# KiCad board everestCM4.kicad_pcb (continued)
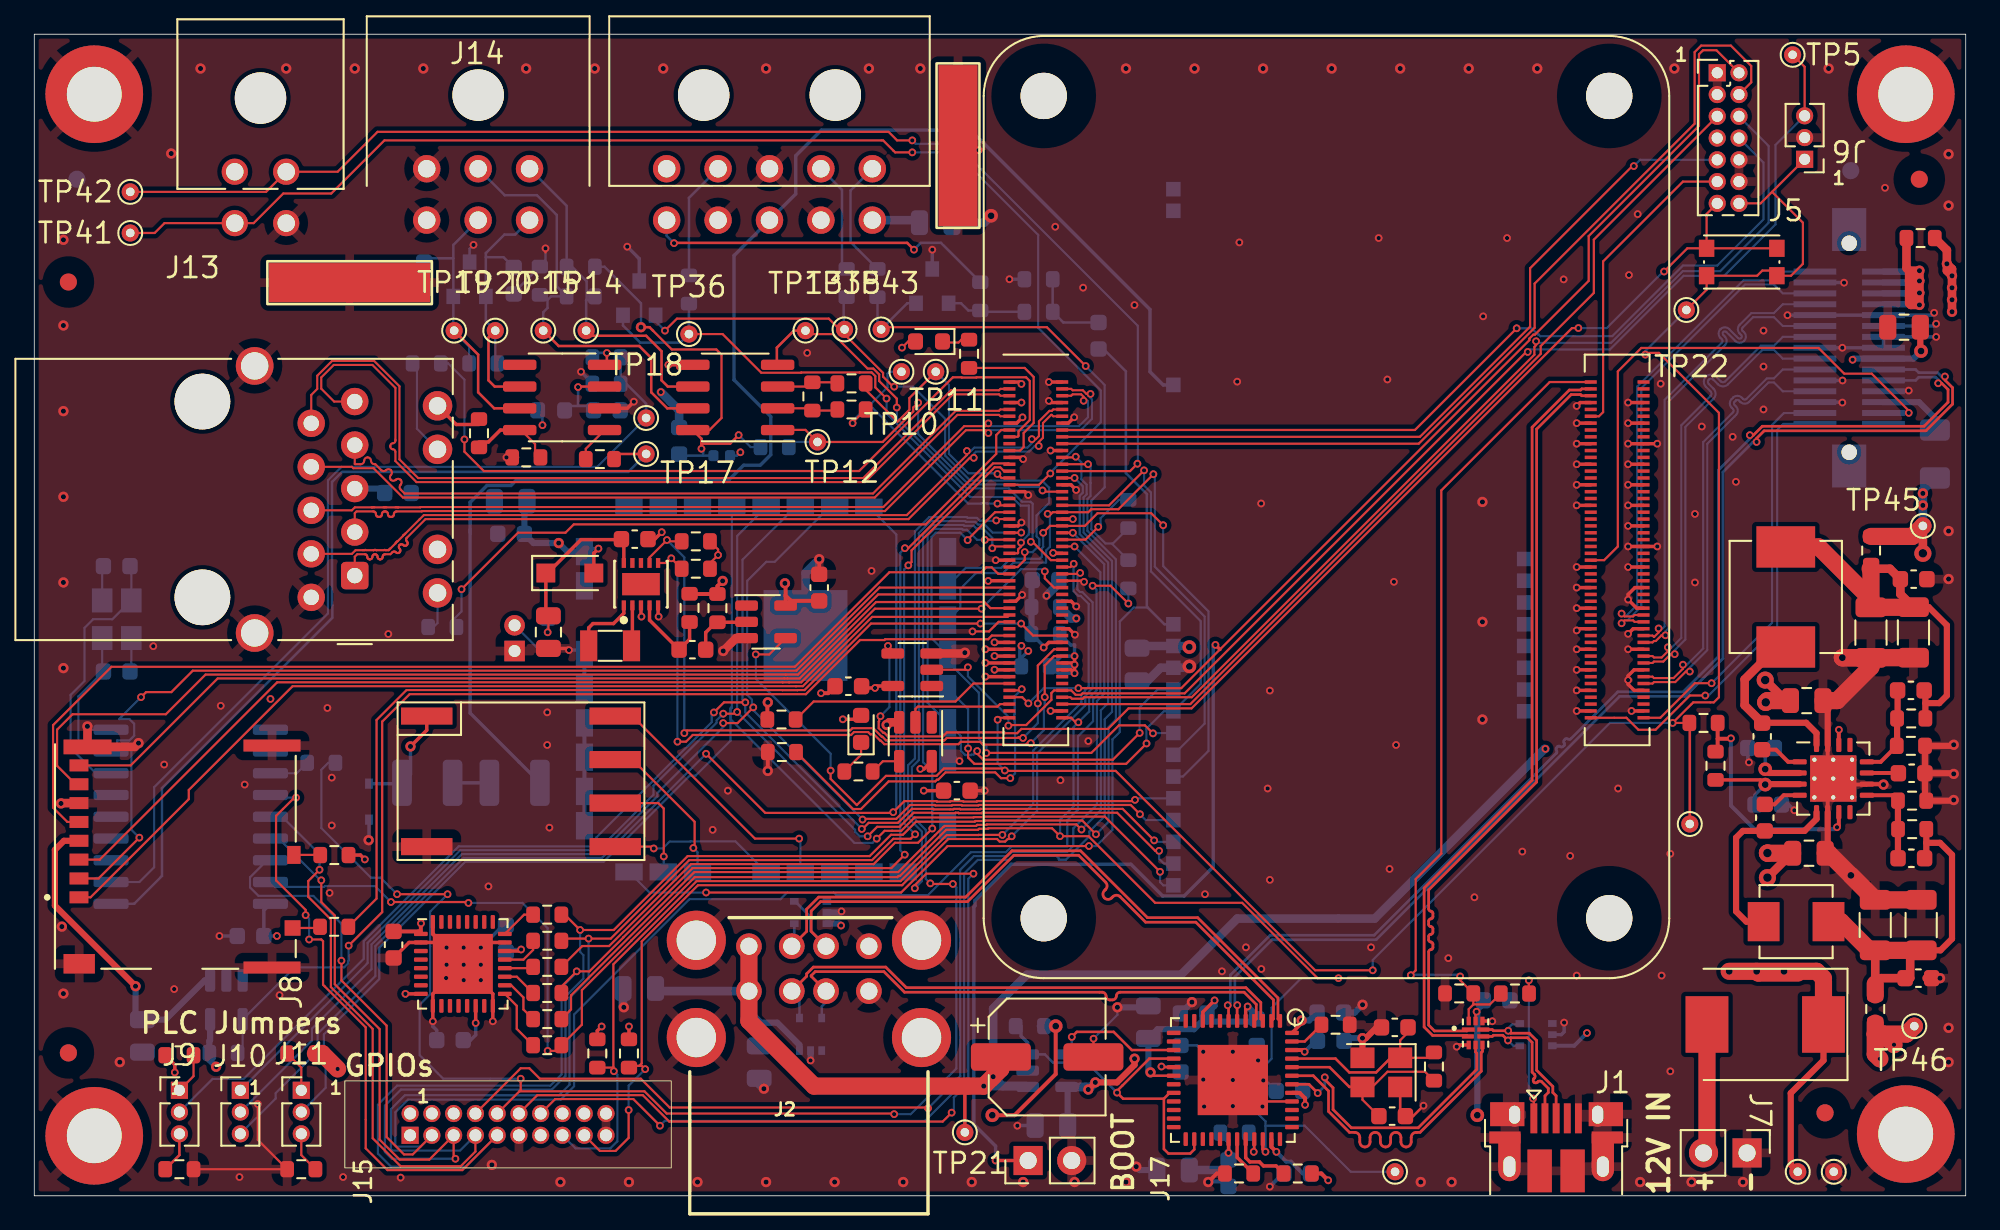
[diagram p0: board, top side]
## Routing (per net, layer and track width the routed paths; a pad name or vN(x,y) marks a point on that pad's centre or on a via; arc(x,y) is an arc through that point) (continued)
+5V: length 190
  Top w0.2: v1(56.03,31.5) 56.03,31.5 Module2.81 ; v1(56.03,32.3) 56.03,32.3 Module2.77 ; C61.2 48.38,29.64 v1(49.06,29.64) 49.17,29.75 U8.5 ; Module2.85 56.03,30.7 v1(56.03,30.7) ; Module2.79 v1(55.5,31.9) ; v1(55.5,31.11) 55.51,31.1 Module2.83 ; Module2.87 55.51,30.3 v1(55.5,30.3)
  Top w0.23: R12.2 38.25,35.12 R13.2 39.86,35.58 v2(40.17,35.89) ; 43.84,35.04 44.15,34.72 C19.1 ; 43.84,35.04 U7.5 ; 43.84,35.04 43.84,35.71 v2(43.8,35.75)
  Top w0.36: v2(61.5,6.2) 61.91,6.61 v2(61.91,6.62) 63.18,6.62 64.2,7.64 v2(64.2,8)
  Top w0.5: v2(111.6,54.4) 111.9,54.1 v2(111.9,53.7) ; v2(111.6,54.4) 111.6,55.2 R37.2 ; v2(111.6,54.4) 111.6,54 v2(111.9,53.7) ; v2(111.9,53.7) v2(111.9,53) v2(111.9,52.3) v2(111.9,51.6) ; TP45.1 v4(110.2,37.5)
  Top w1: TP45.1 109.59,38.49 R62.1
  In2.Cu w0.23: 65.47,9.73 71.56,9.73 73.5,11.66 88.44,11.66 v1(90.6,9.5) ; 65.47,9.73 65.47,13.03 62.06,16.43 62.06,17.51 58.76,20.82 58.76,24.05 59.93,25.22 59.93,26.03 56.64,29.32 55.04,29.32 ; 65.47,9.73 64.2,8.46 v2(64.2,8)
  In2.Cu w1: TP45.1 110.2,48 111.9,49.7 111.9,54.1 v2(111.6,54.4)
  In2.Cu w2: 43.8,35.6 40.46,35.6 v2(40.17,35.89) ; 43.8,35.6 43.8,44.8 45.5,46.5 47.8,46.5 ; 43.8,35.6 49.06,30.34 v1(49.06,29.64) ; v1(49.06,29.64) 48.83,29.41 48.83,29.32 ; v1(49.06,29.64) 49.06,29.55 48.83,29.32 ; 48.83,29.32 49.92,29.32 55.04,29.32 55.8,30.07 55.8,32.1 ; v4(110.2,37.5) 110.2,15.2 104.5,9.5 v1(90.6,9.5)
  Bottom w0.23: v1(90.6,9.5) 89.86,8.75 U3.3
  Bottom w0.36: U4.5 60.3,6.29 C11.1
  Bottom w0.5: 61.05,6.35 61.65,6.35 v2(61.91,6.62) ; 61.05,6.35 61.35,6.35 v2(61.5,6.2) ; 61.05,6.35 U4.5 ; F2.2 110.2,41.2 TP45.1
  vias: v2(110.2,41) v2(110.2,40.3)
+12V: length 155.8
  Top w0.2: v3(101,24) 100.73,24.27 R59.1
  Top w0.23: U11.14 105.3,27.19 v1(105.3,27.2) ; 101.03,24.03 v3(101,24) ; 101.22,24.68 v3(101,24.9)
  Top w0.36: U11.3 101.03,24.03 ; U11.2 101.22,24.68 ; D4.1 104.4,7.9 102.49,5.99 102.49,1.81 TP44.1
  Top w0.5: v4(101,30.1) 102.2,28.9 C36.2 ; C33.1 102.55,19.99 v4(101.13,18.57)
  Top w1: 104.4,11 104.4,12.5 ; C33.1 101.14,19.99 v4(101.13,20) ; 104.4,12.7 104,13.1 v3(98.9,13.1) ; v3(100.5,13.1) 100.6,13 102.9,13 ; v4(101.03,28.8) 101.13,28.9 C36.2
  In2.Cu w0.23: 102.52,27.18 102.54,27.2 v1(105.3,27.2)
  In2.Cu w1: v3(101,24) 101.7,24 102.52,24.82 102.44,24.9 v3(101,24.9)
  In2.Cu w2: v3(102.1,13.1) v3(100.5,13.1) 101.13,13.73 v4(101.13,18.57) v4(101.13,20) 101.13,23.43 102.52,24.82 102.52,28.7 102.83,29 ; J3.1 50.85,58.9 62.41,58.9 66.51,63 85.7,63 93.1,55.6 101.27,55.6 107.42,49.45 107.42,49.05 107.93,48.54 107.93,42.73 102.83,37.63 102.83,29 ; v4(101.03,28.8) 101.23,29 102.83,29
  Bottom w0.2: v3(101,24) 100.4,23.4 C34.1 ; v3(101,24.9) 101,25.6 C16.2
  Bottom w0.5: J3.1 51.5,56.95 C53.1
/CM4_GPIO ( Ethernet, GPIO, SDCARD)/+3.3v_Pi: length 10
  Top w0.2: Module2.86 60.5,30.7 v1(60.7,30.5) v1(60.7,31) ; v1(60.7,31.5) v1(60.7,31) ; v1(60.7,31) 60.6,31.1 Module2.84
  Bottom w0.2: 59.8,31.4 59.33,30.93 59.33,30.91 ; R57.1 60.48,32.15 60.7,32.15 v1(60.7,31.5) 59.92,31.5 59.33,30.91 ; 59.33,30.91 59.73,30.5 v1(60.7,30.5) ; 59.33,30.91 60.61,30.91 v1(60.7,31)
  Bottom w0.23: 59.33,30.91 59.65,30.59
/USB2-HUB/VBUS: length 133.3
  Top w0.2: TP21.1 54.3,6 53.9,6.4
  Top w0.36: C13.1 110.05,49.35 v3(110.09,49.31)
  Top w1: C12.1 56.4,7.4 v2(55.95,6.95) v2(55.4,6.4) 45.5,6.4 41.7,10.2 J2.5 J2.1
  In2.Cu w0.23: v1(106.1,48.8) 105.06,47.76 105.06,43.84 102.06,43.84 99.65,41.43 99.65,29.74 96.73,26.82 92.17,26.82 90.89,25.55 88.71,25.55 v1(88.17,26.08)
  In2.Cu w0.36: J2.1 42.91,15.77 v1(47.08,15.77)
  Bottom w0.2: U4.1 57.91,6.4
  Bottom w0.36: v1(106.1,48.8) 106.17,48.86 109.65,48.86 v3(110.09,49.31) ; v1(47.08,15.77) 46.96,15.88 U1.3 ; 42.3,10.1 43.35,10.1 44.65,8.8 U16.3
  Bottom w0.5: v2(55.4,6.4) 57.91,6.4 56.5,6.4 v2(55.95,6.95) 55.95,10.93 57.92,12.9 66.91,12.9 70.19,16.18 78.22,16.18 88.12,26.08 v1(88.17,26.08) ; C14.1 36.41,11.94 J2.5 41.7,10.7 42.3,10.1 C15.1
GND: length 249.2
  Top w0.127: v1(13.04,5.36) 13.04,3.26 R33.1 R29.1 ; v1(61.81,9.17) 61.8,9.16 C12.2 ; Module2.71 56.27,33.5 55.71,32.94 v1(54.75,32.94)
  Top w0.147: v1(69.94,6.75) 71.19,5.5 U2.40 ; v1(29.83,55.3) 29.83,55.07 ; v1(81.06,5.26) 80.45,4.65 C5.2 79.7,4.95 Y1.4 ; Module2.60 61.19,35.9 v1(61.25,35.84)
  Top w0.2: Module2.119 v1(90,43.9) ; C22.2 21.87,14.78 U9.2 23.76,14.78 U9.33 ; Module2.186 93.35,30.7 93,30.35 v1(93,30.1) 93,29.85 93.35,29.5 Module2.192 ; v1(58,40.9) 57.8,41.1 Module2.33 ; v1(60.8,34.4) 60.5,34.7 Module2.66 ; 38.42,48.5 37.01,48.5 v1(37,48.5) ; Module2.185 v1(90,30.7) ; Module2.7 v1(57.6,46.3) ; v1(94.7,43.9) Module2.120 v1(93,43.9) ; Module2.179 v1(90,31.9) ; Module2.22 v1(59.3,43.5) ; Module2.114 v1(93,45.1) ; Module2.144 v1(93,39.1) ; v1(26.76,10.18) U9.16 26.76,11.78 U9.33 ; U12.8 85.06,10.2 v1(85.07,10.18) ; v1(35.43,33.8) 35.4,33.83 U5.3 ; v1(57.7,43) 57.6,43.1 Module2.23 ; Module2.126 v1(93,42.7) ; Module2.198 v1(93.2,28.3) ; U9.33 23.26,11.78 U9.9 v1(23.26,10.18) ; U9.33 26.26,14.78 U9.23 ; Module2.132 v1(93,41.5) ; Module2.125 v1(90,42.7) ; v1(60.68,45.44) 60.34,45.1 Module2.14 ; Module2.8 59.3,46.3 v1(59.2,46.4) ; C18.1 v1(55.46,23.65) ; Module2.155 v1(90,36.7) ; Module2.32 60.49,41.5 v1(60.79,41.2) ; Module2.180 v1(93,31.9) ; Module2.191 v1(90,29.5) ; v1(34.99,46.35) 34.6,45.97 33.28,45.97 ; 28.2,43.1 v1(27.55,43.1) ; v1(59.45,37.53) 59.48,37.5 Module2.52 ; v1(90,46.1) 90.2,46.3 Module2.107 ; Module2.161 v1(90,35.5) ; Module2.162 93.4,35.5 93,35.1 v1(93,34.8) 93.5,34.3 Module2.168 ; Module2.167 v1(90,34.3) ; U5.5 36.4,33.83 v1(36.43,33.8) ; Module2.174 93.3,33.1 v1(93,32.8) ; v1(55.66,35.89) 55.67,35.9 Module2.59 ; Module2.65 57.27,34.7 v1(57.64,35.08) ; v1(83,8.7) 83.1,8.8 U12.3 ; v1(57.66,45.44) 57.32,45.1 Module2.13 ; v1(90,33) 90.1,33.1 Module2.173 ; v1(60.72,32.75) 60.37,33.1 Module2.74 ; C40.2 31.1,31.95 v1(31.2,31.85) ; Module2.1 57.49,47.5 v1(57.6,47.39) ; v1(57.6,39.3) 57.4,39.1 Module2.43 ; Module2.108 v1(93,46.3) ; Module2.42 v1(60.6,39.5) ; C17.2 36.2,38.33 v1(36.61,38.73) ; Module2.98 v1(59.3,28.3) ; Module2.2 v1(59.2,47.5) ; Module2.113 v1(90,45.1) ; v1(94.7,37.9) Module2.150 v1(93,37.9) ; Module2.53 v1(56.1,37.1) ; Module2.156 v1(93,36.7) ; Module2.137 v1(90,40.3) ; Module2.197 v1(90,28.3) ; Module2.131 v1(90,41.5) ; Module2.138 v1(93,40.3)
  Top w0.23: 104.64,22.39 104.64,24.03 U11.17 104.64,24.68 104.64,26.31 ; 104.64,28.63 C36.1 ; R20.2 42.78,28.77 v2(42.8,28.8) ; 69.48,1.3 69,1.3 v2(68.5,0.8) ; U9.32 23.26,15.28 U9.33 ; 106.1,24 106.91,24 U11.10 107.87,24.03 v2(107.9,24) ; R21.2 v2(42.8,24.8) ; v1(45.91,29.34) 46.32,29.34 C61.1 ; C19.2 v2(45.8,37.16) ; 104.64,20.14 C33.2
  Top w0.36: v2(112,23.1) 111.96,23.06 R39.2 110.33,23.13 R61.2 111.94,26.26 v2(112,26.33) ; 104.64,22.39 104.64,20.14 ; v2(112,24.62) 111.96,24.66 C35.2 ; C2.2 78.33,9.83 77.7,9.2 v2(77.5,9.2) Y1.2 ; 104.64,26.31 104.64,28.63
  Top w0.5: v2(1.56,22.9) 1.58,22.92 J8.6 ; U7.3 40.95,32.55 v2(40.2,31.8) ; v2(49.74,27.48) 49.89,27.64 U10.3 ; v2(54.3,31.7) 54.26,31.66 U8.3 ; 110.42,12.7 v2(111.2,12.7) ; v2(3.1,27.4) 3.11,27.39 J8.11 5.86,26.2 v2(6.08,26.42)
  Top w1: C33.2 104.7,19.99 C31.2 107.42,17.28 v3(106,18.7) 107.42,17.27 C41.2 ; C36.1 105.2,28.9 107.17,30.87 C38.2 105.51,31.4 v3(105.5,31.41) C42.2
  Bottom w0.127: Y3.4 3.96,36.68 C48.2 ; v1(61.81,9.17) 63.2,10.56 v2(63.2,11) ; U17.9 3.3,27.2 v2(3.1,27.4) ; C49.2 5.66,30.68 Y3.2 ; U14.23 53.76,25.6 v1(53.98,25.37)
  Bottom w0.147: v1(25.63,55.5) 25.4,55.27 D8.3 ; C47.1 67.84,8.77 v1(68.21,8.41) ; v1(71.71,6.73) 71.85,6.73 72.46,6.12 ; C60.1 27.98,52.72 29.83,54.57 v1(29.83,55.3)
  Bottom w0.2: 107.9,51.4 110.72,51.4 v1(110.86,51.54) ; 107.9,51.4 102.3,51.4 v1(102.3,51.4) ; 107.9,51.4 J4.12 ; J4.15 v1(105.5,49.5) J4.16 J4.14 ; v1(102.7,22.5) 102.37,22.83 C34.2 ; v1(105.51,47.59) 105.51,47.59 J4.21 ; D6.3 35.3,54.7 v1(34.6,55.4) ; v1(26.06,14.48) 27.36,15.78 C21.2 ; v1(89.27,10.11) 89.27,9.57 89.11,9.41 U3.2 ; R31.2 v1(56.9,53.5) ; v1(109.38,47) 109.34,46.96 J4.24 ; v1(100.05,25.3) 99.98,25.37 C16.1 ; J4.25 105.48,46.33 v1(105.5,46.3) ; J4.12 110.85,50.77 v1(110.98,50.9) ; J4.12 J4.14 ; J4.14 110.97,50.13 v1(110.98,50.13) ; v1(57.36,4.09) 57.38,4.1 C11.2 ; R54.2 32.56,47.44 v1(31.9,48.1) ; v1(105.6,53.3) 105.59,53.31 J4.3 ; v2(19.51,20.75) 19.53,20.78 D9.1 ; v1(34.99,46.35) 34.48,45.85 C58.1 ; 45.15,49.15 v1(45.1,49.2) ; v1(23.26,10.18) 23.26,9.88 23.48,9.66 C23.2 ; U14.6 31.85,31.85 v1(31.2,31.85) ; D5.3 v1(52.4,55.22) ; C50.2 v1(10.8,15.16)
  Bottom w0.23: 71.33,8.74 71.41,8.66 v1(71.41,7.9) ; U14.1 U14.2 U14.3 U14.4 ; v1(72.09,0.53) 72.86,1.3 C4.2 ; U14.5 U14.6 ; v2(68.5,0.8) 68.54,0.84 69.68,0.84
  Bottom w0.36: v2(77.51,11.15) 77.05,10.69 C8.2 ; C46.1 76.59,9.2 v2(77.5,9.2) ; v2(63.2,11) 64.93,11 C1.2 ; C3.2 64.5,1.5 v2(64.3,1.7) ; v2(67.55,11.3) 66.89,10.64 C10.2 ; U1.2 47.03,16.53 v1(47.1,16.6) ; U16.2 v1(45.3,7.9)
  Bottom w0.5: C53.2 55.42,56.8 v3(55.83,57.21) ; v1(59.06,35.03) 59.79,35.75 C43.2 ; U14.33 45,36.36 v2(45.8,37.16) ; C15.2 42.3,6.52 v2(42.57,6.25) ; v1(36.56,46.91) 37.63,45.85 C54.2 ; C27.1 64.96,30.06 65.72,30.82 U15.11 67.32,30.82 v3(67.4,30.9) ; v2(34.4,11) 34.35,11.05 C14.2
  vias: v1(6.94,32.08) v1(7.58,25.17) v1(8.16,12.06) v1(10.88,28.6) v1(11.97,1.09) v1(12.28,24) v1(13.78,29) v1(14.31,11.71) v1(17.1,28.47) v1(17.23,17.68) v1(17.36,24.41) v1(17.36,21.61) v1(18.02,1.09) v1(20.66,32.79) v1(21.38,1.06) v1(24.03,12.71) v1(24.06,14.48) v1(24.06,13.48) v1(25.06,14.48) v1(25.06,13.48) v1(25.06,12.58) v1(26.06,13.48) v1(26.06,12.58) v1(26.5,18.06) v1(29.93,28.22) v1(29.93,26.31) v1(30.06,21.49) v1(39.58,21.36) v1(40.47,23.65) v1(48.85,36.47) v1(55.1,61.03) v1(59.57,56.56) v1(59.88,24.26) v1(61.2,53.01) v1(61.5,26.54) v1(64.2,51.99) v1(68.21,6.78) v1(68.31,17.6) v1(68.26,5.21) v1(69.3,13.1) v1(69.94,8.41) v1(69.94,5.23) v1(70.19,47.52) v1(70.32,55.65) v1(70.7,14.5) v1(71.59,40.41) v1(71.6,13.24) v1(71.66,5.21) v1(71.97,23.77) v1(72.09,29.49) v1(72.09,18.44) v1(78,14.5) v1(78.45,55.9) v1(78.95,47.65) v1(79.08,19.07) v1(79.33,35.84) v1(79.46,26.31) v1(82.51,13.87) v1(84.03,17.42) v1(84.54,51.33) v1(85.94,55.9) v1(86.83,20.09) v1(89.24,53.49) v1(89.62,19.84) v1(90,12.85) v1(92.42,23.77) v1(93.05,53.74) v1(93.56,57.3) v1(94.9,47.4) v1(94.95,12.85) v1(95.46,19.96) v1(95.46,7.26) v1(96.9,39.8) v1(96.9,35.8) v1(97.3,44.9) v1(99.1,44.3) v1(99.29,41.67) v1(100.9,50.5) v1(100.9,48.4) v1(100.9,45.9) v1(107.99,58.84) v2(1.61,15.71) v2(1.7,55.8) v2(1.7,50.8) v2(1.7,45.8) v2(1.7,40.8) v2(1.7,35.8) v2(1.7,30.8) v2(1.7,11.8) v2(4.99,7.8) v2(7.99,60.84) v2(9.7,65.8) v2(14.7,65.8) v2(18.7,65.8) v2(22.7,65.8) v2(26.7,1.8) v2(28.7,65.8) v2(30.7,0.8) v2(32.7,65.8) v2(34.7,0.8) v2(36.7,65.8) v2(38.7,0.8) v2(42.7,65.8) v2(42.7,0.8) v2(46.7,0.8) v2(48.7,65.8) v2(50.7,0.8) v2(51.7,65.8) v2(54.7,0.8) v2(57.7,0.8) v2(60.7,0.8) v2(63.7,65.8) v2(63.7,0.8) v2(67.7,65.8) v2(71.7,65.8) v2(75.7,65.8) v2(79.7,65.8) v2(80.9,0.8) v2(82.7,0.8) v2(83.7,65.8) v2(84.5,40.5) v2(84.5,33.5) v2(84.5,27.8) v2(87.7,65.8) v2(93.7,0.8) v2(95.7,65.8) v2(96.7,0.8) v2(99.7,0.8) v2(104.7,65.8) v2(111.7,60.8) v2(111.7,57.8) v2(111.7,38.8) v2(111.7,36) v2(111.7,9.8) v2(111.7,7.8)
/AUX_CS: length 97.7
  Top w0.127: v1(17.92,13.72) 17.92,12.57 20.56,9.93 20.56,3.43 21.57,2.41 22.08,2.41 J15.3 ; Module2.50 v1(60.7,37.9)
  Bottom w0.127: v1(60.7,37.9) 62.21,36.39 62.21,29.4 61.78,28.98 61.78,27.7 60.9,26.82 60.9,22.54 60.27,21.91 60.27,20.39 57.04,20.39 56.69,20.05 54.65,20.05 52.15,17.55 46.8,17.55 46.66,17.7 43.93,17.7 43.55,17.31 38.23,17.31 31.5,10.58 31.5,6.39 30.72,5.61 21.81,5.61 21.07,4.87 21.07,2.92 21.12,2.87 22.54,2.87 J15.3 ; U17.16 13.58,19.58 12.59,18.59 12.59,18 13.08,17.51 16.29,17.51 17.92,15.87 v1(17.92,13.72)
/AUX_GPIO1: length 70.8
  Top w0.127: v1(52.15,5.11) 52.11,5.15 37.07,5.15 35.39,6.83 29.5,6.83 28.89,7.44 28.38,7.44 J15.8 ; Module2.46 v1(60.6,38.7)
  Bottom w0.127: v1(60.6,38.7) 62.43,36.87 62.43,29.31 62.01,28.88 62.01,22.83 60.63,21.45 60.63,20.43 60.27,20.07 57.03,20.07 56.79,19.83 54.83,19.83 54.03,19.03 54.03,6.98 v1(52.15,5.11)
/AUX_GPIO2: length 100.1
  Top w0.127: Module2.45 57.58,38.7 v1(57.59,38.71) ; v1(53.6,18.2) 52.32,18.2 v1(52.28,18.23) ; v1(28.38,6.83) 28.38,6.17 28.31,6.1 ; v1(50.17,4.76) 50.14,4.8 36.9,4.8 35.6,6.1 28.31,6.1 ; J15.10 28.31,6.1 ; v1(21.17,17.6) v1(24.11,17.6)
  Bottom w0.127: v1(57.59,38.71) 55.92,38.71 55.45,39.18 55.07,39.18 54.91,39.34 54.36,39.34 54.32,39.39 52.32,39.39 51.61,38.68 51.61,25.43 51.21,25.03 51.21,22.16 52.02,21.35 52.02,18.5 v1(52.28,18.23) ; v1(50.17,4.76) 51.14,4.76 53.8,7.42 53.8,18 v1(53.6,18.2) ; v1(28.38,6.83) 23.86,6.83 22.49,8.2 22.49,11.15 23.1,11.76 23.1,16.58 v1(24.11,17.6) ; v1(21.17,17.6) 20.2,18.57 19.64,18.57 16.75,21.46 16.75,24.87 17.15,25.27 R35.2
/AUX_GPIO3: length 72.4
  Top w0.127: Module2.41 56.21,39.5 v1(56.13,39.42) ; v1(53.53,4.85) 53.01,4.33 37.05,4.33 35.51,5.87 29.35,5.87 J15.12 ; v1(51.38,17.95) 51.38,18.13 52.05,18.8 v1(54.8,18.8)
  Bottom w0.127: v1(54.8,18.8) 54.5,18.5 54.5,6.58 53.66,5.74 53.66,4.98 v1(53.53,4.85) ; v1(51.38,17.95) 51.79,18.36 51.79,21.26 50.98,22.07 50.98,25.12 51.39,25.53 51.39,38.79 52.22,39.62 54.41,39.62 54.46,39.57 55,39.57 55.16,39.41 55.55,39.41 55.56,39.4 56.11,39.4 v1(56.13,39.42)
/AUX_GPIO4: length 71.9
  Top w0.127: v1(36.51,4.09) 34.95,5.64 30.39,5.64 J15.14 ; v1(60.77,43.14) 60.73,43.1 Module2.24
  Bottom w0.127: v1(60.77,43.14) 61.1,42.81 61.1,41.82 61.41,41.51 61.41,40.95 61.23,40.77 61.23,38.71 62.89,37.06 62.89,28.24 62.46,27.82 62.46,22.16 61.56,21.26 61.56,20.98 60.19,19.61 59.79,19.61 59.79,19.69 59.63,19.85 57.13,19.85 56.88,19.6 55.05,19.6 54.25,18.8 54.25,6.66 51.97,4.37 36.8,4.37 v1(36.51,4.09)
/AUX_MISO: length 113.6
  Top w0.127: v1(31.85,15.51) 33.81,15.51 38.12,19.83 48.75,19.83 49.99,21.07 50.68,21.07 51.45,21.83 54.88,21.83 54.92,21.88 55.46,21.88 55.49,21.9 61.15,21.9 v1(61.95,21.1) ; Module2.26 v1(61.49,42.7) ; v1(24.57,2.16) 24.47,2.26 J15.5 23.05,2.11 21.32,2.11 20.15,3.28 20.15,9.73 17.53,12.35 17.53,16.36 16.75,17.14 v1(16.75,18.41)
  Top w0.13: R65.1 30.95,16.41 v1(31.85,15.51)
  Bottom w0.127: v1(16.75,18.41) 16.7,18.41 14.26,20.85 U17.15 ; v1(24.57,2.16) 20.86,2.16 20.46,2.56 20.46,5.26 21.4,6.2 30.2,6.2 31,6.99 31,11.63 32.04,12.67 32.04,14.04 31.85,14.24 v1(31.85,15.51) ; v1(61.95,21.1) 62.69,21.84 62.69,27.36 63.11,27.79 63.11,37.15 61.45,38.81 61.45,40.67 61.63,40.85 61.63,42.55 v1(61.49,42.7)
/AUX_MOSI: length 105.9
  Top w0.127: v1(51.4,21.1) 51.14,20.84 50.13,20.84 48.88,19.59 38.22,19.59 33.64,15.01 v1(32.34,15.01) ; v1(16.64,19.03) 15.99,18.37 15.99,17.45 17.31,16.13 17.31,12.18 19.75,9.74 19.75,3.36 21.38,1.72 24.88,1.72 25.74,2.58 J15.7 ; v1(51,36.8) 51.19,36.99 51.19,37.67 56.04,42.52 56.36,42.52 56.58,42.3 Module2.27
  Top w0.13: R66.1 30.88,15.01 v1(32.34,15.01)
  Bottom w0.127: v1(16.64,19.03) 16.64,19.94 14.46,22.12 U17.14 ; v1(32.34,15.01) 32.34,12.66 31.23,11.54 31.23,6.48 30.62,5.87 21.63,5.87 20.81,5.05 20.81,2.72 20.89,2.64 24.85,2.64 J15.7 ; v1(51.4,21.1) 50.76,21.74 50.76,36.56 v1(51,36.8)
/AUX_SCL: length 60
  Top w0.127: v1(60.65,36.89) 60.46,36.7 Module2.56 ; 33.79,7.51 33.79,7.3 v1(33.82,7.27) ; 33.79,7.51 33.76,7.48 R16.2 ; 33.79,7.51 33.79,13.51 38.64,18.37 50.55,18.37 53.24,21.06 55.08,21.06 55.09,21.06 55.09,21.06 v1(56.49,21.06)
  Bottom w0.127: v1(60.65,36.89) 60.64,36.88 60.64,35.29 60.92,35.01 61.05,35.01 61.53,34.54 61.53,29.73 61.31,29.51 61.31,29.47 61.1,29.26 61.1,28.8 58.29,25.99 58.29,22.86 v1(56.49,21.06) ; J15.15 31.58,2.77 33.61,2.77 34.02,3.18 34.02,7.06 v1(33.82,7.27)
/AUX_SCLK: length 112.8
  Top w0.127: v1(15.83,16.38) 15.83,16.69 14.11,18.41 14.11,22.17 15.17,23.24 v1(15.28,23.24) ; v1(50.8,37.8) 51,37.8 55.95,42.75 56.85,42.75 Module2.25 ; J15.9 24.98,1.5 20.61,1.5 19.34,2.77 19.34,9.83 16.85,12.32 16.85,14.86 16.75,14.96 v1(16.04,14.96) ; R63.1 30.76,12.2 v1(31.65,13.1) 32.39,13.1 34.37,15.08 34.37,15.09 38.41,19.13 50.01,19.13 v1(50.79,19.91)
  Bottom w0.127: v1(16.04,14.96) 16.04,16.18 v1(15.83,16.38) ; v1(50.79,19.91) 50.53,20.17 50.53,37.53 v1(50.8,37.8) ; v1(31.65,13.1) 31.65,13.05 30.77,12.17 30.77,7.09 30.11,6.42 21.17,6.42 20.05,5.31 20.05,2.46 20.81,1.7 25.18,1.7 J15.9 ; v1(15.28,23.24) 13.93,23.24 U17.13
/AUX_SDA: length 59.3
  Top w0.127: v1(35.65,7.39) 35.45,7.58 35.3,7.58 ; v1(61.03,36.36) 60.97,36.3 Module2.58 ; J15.17 33,2.61 33.92,2.61 34.68,3.38 v1(34.68,5) ; R17.2 34.8,7.58 35.3,7.58 ; v1(57.03,20.98) 56.87,20.82 56.8,20.82 56.65,20.67 56.33,20.67 56.18,20.82 53.33,20.82 50.63,18.13 38.73,18.13 35.44,14.84 35.44,7.73 35.3,7.58
  Bottom w0.127: v1(34.68,5) 34.68,6.42 v1(35.65,7.39) ; v1(61.03,36.36) 60.94,36.36 60.87,36.29 60.87,35.39 61.01,35.24 61.15,35.24 61.75,34.64 61.75,29.64 61.54,29.42 61.54,29.37 61.33,29.16 61.33,28.63 58.51,25.81 58.51,22.46 v1(57.03,20.98)
/CM4_GPIO ( Ethernet, GPIO, SDCARD)/AIN0: length 54.5
  Top w0.127: Module2.96 67.46,28.7 87.9,49.14 87.9,49.6 91,52.7 91,55.81 J5.5
/CM4_GPIO ( Ethernet, GPIO, SDCARD)/AIN1: length 60.2
  Top w0.127: Module2.94 60.46,29.1 60.54,29.01 61.18,29.01 61.26,29.1 67.54,29.1 87.53,49.1 87.53,49.55 87.63,49.65 v1(87.63,49.88)
  Bottom w0.127: J5.6 101.2,61.28 101.2,56.8 98.37,53.97 96.19,53.97 92.01,49.79 87.72,49.79 v1(87.63,49.88)
/CM4_GPIO ( Ethernet, GPIO, SDCARD)/BT_nDis: length 21.2
  Top w0.127: v1(56.95,24.38) 56.41,24.38 56.07,24.71 53.17,24.71 52.74,24.28 52.67,24.28 52.57,24.19 49.85,24.19 48.24,22.57 47.78,22.57 R21.1 ; Module2.91 57.55,29.5 v1(57.62,29.57)
  Bottom w0.127: v1(57.62,29.57) 57.21,29.16 57.21,28.12 57.18,28.1 57.18,27.78 57.21,27.75 57.21,27.61 57.23,27.6 57.23,24.65 v1(56.95,24.38)
/CM4_GPIO ( Ethernet, GPIO, SDCARD)/EEPROM_nWP: length 56.2
  Top w0.127: J5.4 100.18,64.99 100.18,65.95 98.99,67.14 97.26,67.14 96.88,66.76 96.88,62.58 87.54,53.24 87.54,50.66 80.78,43.9 Module2.20
/CM4_GPIO ( Ethernet, GPIO, SDCARD)/ETH_LEDG: length 45.8
  Top w0.127: Module2.17 57.38,44.3 57.43,44.35 57.43,44.62 58.09,45.28 58.09,47.56 57.87,47.78 54.99,47.78 54.97,47.76 54.12,47.76 54.1,47.78 53.6,47.78 48.13,42.3 26.23,42.3 25.1,43.44 v1(25.1,44.15)
  Bottom w0.127: R25.1 24.15,48.59 25.1,47.63 v1(25.1,44.15)
/CM4_GPIO ( Ethernet, GPIO, SDCARD)/ETH_LEDY: length 38.9
  Top w0.127: v1(24.93,35.41) 28.23,38.7 30.99,38.7 31.48,39.19 52.02,39.19 56.13,43.3 56.13,44.41 56.42,44.7 Module2.15
  Bottom w0.127: v1(24.93,35.41) 24.93,34.11 24.32,33.49 24.32,33.2
/CM4_GPIO ( Ethernet, GPIO, SDCARD)/GPIO27: length 5
  Top w0.127: v1(62.08,39.05) 61.34,38.3 Module2.48
  Bottom w0.127: v1(62.08,39.05) 62.22,39.19 62.22,39.55 63.29,40.62 R1.1
/CM4_GPIO ( Ethernet, GPIO, SDCARD)/nPWR_LED: length 6.4
  Top w0.127: U10.2 51.42,28.42 51.55,28.55 56.2,28.55 56.35,28.7 Module2.95
/CM4_GPIO ( Ethernet, GPIO, SDCARD)/nRPIBOOT: length 110.4
  Top w0.127: v1(60.92,29.63) 66.93,29.63 69.19,31.89 87.24,49.95 87.24,50.04 87.47,50.27 87.56,50.27 90.7,53.4 90.7,56.02 97.14,62.46 97.14,66.63 97.37,66.87 98.15,66.87 J5.2 ; v1(58.01,28.74) 57.65,29.1 Module2.93
  Top w0.2: J17.1 v1(56.09,2.06) ; v1(68.92,32.16) 69.19,31.89
  Bottom w0.127: v1(60.92,29.63) 58.89,29.63 v1(58.01,28.74)
  Bottom w0.2: v1(56.09,2.06) 56.09,2.9 54.82,4.17 54.82,16.85 54.89,16.91 54.89,17.23 57,19.35 63.99,19.35 65.84,17.5 67.09,17.5 68.79,19.2 68.79,32.03 v1(68.92,32.16)
/CM4_GPIO ( Ethernet, GPIO, SDCARD)/Reserved: length 55.4
  Top w0.127: R24.1 19.97,17.35 19.97,27.77 21.72,29.52 43.65,29.52 43.65,29.51 44.53,29.51 44.54,29.52 44.94,29.52 48.82,33.4 v1(55.2,33.4) ; Module2.76 58.28,32.7 v1(57.58,33.4)
  Bottom w0.127: v1(57.58,33.4) 55.21,33.4 v1(55.2,33.4)
/CM4_GPIO ( Ethernet, GPIO, SDCARD)/RUN_PG: length 74.8
  Top w0.127: U8.2 54.33,30.7 v1(54.48,30.85) ; v1(56.84,27.44) 56.88,27.48 57.88,27.48 59.35,28.95 59.35,29.35 59.5,29.5 Module2.92 60.5,29.5 60.76,29.24 61.08,29.24 61.17,29.33 67.13,29.33 87.05,49.26 v1(87.14,49.26) ; TP5.1 103.3,65.9 J6.3
  Bottom w0.127: v1(54.48,30.85) 54.48,30.32 56.84,27.96 v1(56.84,27.44) ; v1(87.14,49.26) 87.29,49.4 91.94,49.4 96.24,53.7 98.6,53.7 101.6,56.7 101.6,61.34 J6.3
/CM4_GPIO ( Ethernet, GPIO, SDCARD)/SCL0: length 40.8
  Top w0.127: v1(58.56,28.74) 58.56,30.95 59.51,31.9 Module2.80 ; 57.51,26.75 57.42,26.75 57.39,26.72 53.24,26.72 53.1,26.58 49.7,26.58 49.48,26.8 49.45,26.8 48.95,27.29 47.74,27.29 47.61,27.16 38.09,27.16 v1(37.93,27) ; R14.2 36.99,38.2 v1(36.92,38.28) 35.9,37.26 U5.7
  Bottom w0.127: v1(58.56,28.74) 58.56,27.59 v1(57.69,26.72) ; v1(37.93,27) 37.93,37.26 v1(36.92,38.28)
/CM4_GPIO ( Ethernet, GPIO, SDCARD)/SD_CLK: length 66.5
  Top w0.127: Module2.57 56.25,36.3 55.87,36.68 55.54,36.68 55.26,36.4 49.9,36.4 44.38,30.88 4.5,30.88 1.1,27.47 1.1,22.65 1.93,21.82 J8.5
/CM4_GPIO ( Ethernet, GPIO, SDCARD)/SD_CMD: length 65.1
  Top w0.127: v1(58.96,36.45) 58.96,36.04 59.5,35.5 Module2.62 ; v1(55.27,34.27) 49.05,34.27 44.75,29.97 43.67,29.97 14.17,29.97 3.82,19.62 J8.3
  Bottom w0.127: v1(55.27,34.27) 57.58,36.58 58.83,36.58 v1(58.96,36.45)
/CM4_GPIO ( Ethernet, GPIO, SDCARD)/SD_DAT0: length 62.7
  Top w0.127: Module2.63 49.24,35.1 44.56,30.42 43.85,30.42 9.99,30.42 7.68,28.11 2.23,28.11 1.33,27.2 1.33,25.1 2.41,24.02 J8.7
/CM4_GPIO ( Ethernet, GPIO, SDCARD)/SD_DAT1: length 58.4
  Top w0.127: Module2.67 55.79,34.3 55.43,34.66 49.12,34.66 44.66,30.2 43.76,30.2 10.7,30.2 5.62,25.12 J8.8
/CM4_GPIO ( Ethernet, GPIO, SDCARD)/SD_DAT2: length 61.4
  Top w0.127: J8.1 3.28,17.42 9.02,23.15 9.02,23.69 15.07,29.74 44.45,29.74 44.85,29.74 48.89,33.79 56.79,33.79 Module2.69
/CM4_GPIO ( Ethernet, GPIO, SDCARD)/SD_DAT3: length 69
  Top w0.127: Module2.61 49.32,35.5 44.47,30.65 9.25,30.65 8,29.4
  Top w0.13: 8,29.4 6.53,29.4 v1(6.23,29.11) ; v1(6.13,20.9) 3.75,18.52 J8.2
  Bottom w0.13: v1(6.13,20.9) 5.67,21.37 5.67,26.21 5.48,26.4 4.83,26.4 4.83,26.58 5.55,26.58 5.83,26.86 5.83,27.55 5.55,27.83 4.95,27.83 v1(6.23,29.11)
/CM4_GPIO ( Ethernet, GPIO, SDCARD)/SD_PWR: length 18.5
  Top w0.36: J8.4 1.73,20.72 1.2,20.19 1.2,16.94 v2(5.91,12.23)
  Bottom w0.36: U13.1 9.95,12.57 7.66,10.28 6.31,10.28 5.91,10.68 v2(5.91,12.23)
/CM4_GPIO ( Ethernet, GPIO, SDCARD)/SD_PWR_ON: length 63.2
  Top w0.13: Module2.75 55.87,32.7 55.66,32.49 49.65,32.49 49.6,32.44 48.18,32.44 45.02,29.28 21.9,29.28 20.3,27.67 20.3,16.55 v1(18.35,14.6)
  Bottom w0.127: R27.2 12.16,8.63 U13.4 15.2,13.33 18.08,13.33 18.31,13.56 18.31,13.68 18.35,13.72 v1(18.35,14.6)
/CM4_GPIO ( Ethernet, GPIO, SDCARD)/SDA0: length 40
  Top w0.127: 58.05,26.53 57.86,26.33 55.35,26.33 55.19,26.5 54.06,26.5 53.92,26.36 49.6,26.36 49.39,26.57 49.36,26.57 48.99,26.94 48.79,26.94 48.66,27.07 47.83,27.07 47.66,26.9 38.42,26.9 38.03,26.5 v1(37.53,26.5) ; U5.6 36.9,36.94 v1(37.17,37.21) 37.17,37.2 R15.2 ; Module2.82 59.5,31.5 58.96,30.96 v1(58.96,29.11)
  Bottom w0.127: v1(58.15,26.42) 58.91,27.18 58.91,28.46 58.96,28.51 v1(58.96,29.11) ; v1(37.53,26.5) 37.53,36.85 v1(37.17,37.21)
/CM4_GPIO ( Ethernet, GPIO, SDCARD)/SLB_PIRQ: length 58.5
  Top w0.127: v1(61.1,21.38) 60.8,21.68 55.58,21.68 55.56,21.65 55.02,21.65 54.96,21.59 53.11,21.59 53.05,21.52 53.03,21.52 52.56,21.05 52.56,21.05 50.41,18.89 38.52,18.89 31.32,11.7 31.32,10.87 R67.1 ; Module2.30 v1(60.7,41.9)
  Bottom w0.127: v1(60.7,41.9) 61.18,41.42 61.18,41.04 61,40.86 61,38.62 62.66,36.96 62.66,28.76 62.23,28.33 62.23,22.5 v1(61.1,21.38)
/CM4_GPIO ( Ethernet, GPIO, SDCARD)/SPI1_CE0_N: length 48.6
  Top w0.127: v1(55.9,37.8) 56,37.9 Module2.49 ; R64.1 31.97,14.58 33.54,14.58 38.32,19.36 48.98,19.36 50.23,20.61 51.57,20.61 v1(52.4,21.44)
  Bottom w0.127: v1(52.4,21.44) 52.4,24.76 51.86,25.3 51.86,38.6 52.41,39.15 54.22,39.15 54.27,39.11 54.81,39.11 54.97,38.94 55.36,38.94 55.9,38.4 v1(55.9,37.8)
/CM4_GPIO ( Ethernet, GPIO, SDCARD)/SYNC_IN: length 51.7
  Top w0.127: v1(86.5,50.64) 80.56,44.7 Module2.16
  Bottom w0.127: v1(86.5,50.64) 87.37,50.64 87.74,50.27 87.79,50.27 87.88,50.18 92.08,50.18 96.2,54.3 98.2,54.3 100.9,57 100.9,60.31 J5.8
/CM4_GPIO ( Ethernet, GPIO, SDCARD)/SYNC_OUT: length 46.9
  Top w0.127: Module2.18 80.85,44.3 87.28,50.73 87.28,54.14 93.24,60.1 v1(93.33,60.1)
  Bottom w0.127: v1(93.33,60.1) 93.7,60.47 J5.9
/CM4_GPIO ( Ethernet, GPIO, SDCARD)/TRD0_N: length 48.1
  Top w0.122: v1(58.21,44.16) 58.44,44.16 58.62,44.34 58.62,45.2 59.24,45.82 59.37,45.82 59.45,45.9 Module2.10 ; v1(54.42,43.47) 54.42,43.24 50.91,39.73 22.73,39.73 22.49,39.5 21.64,38.64 21.64,38.64 21.59,38.59 21.58,38.59 21.54,38.57 21.52,38.52 21.22,38.22 21.21,38.22 21.2,38.2 21.16,38.19 21.15,38.16 21.12,38.14 21.1,38.1 21.08,38.09 21.08,38.09 20.78,37.78 20.73,37.76 20.72,37.72 20.68,37.68 20.57,37.68 20.57,37.69 20.49,37.68 20.45,37.7 20.41,37.68 19.97,37.68 19.97,37.69 19.95,37.68 19.91,37.7 19.88,37.69 19.85,37.7 19.81,37.68 19.79,37.69 19.79,37.68 19.35,37.68 19.31,37.7 19.26,37.68 19.19,37.69 19.19,37.68 18.75,37.68 18.53,37.47 U6.8
  Bottom w0.122: v1(54.42,43.47) 54.65,43.47 54.85,43.67 57.95,43.67 58.21,43.93 v1(58.21,44.16)
/CM4_GPIO ( Ethernet, GPIO, SDCARD)/TRD0_P: length 48
  Top w0.122: U6.9 18.7,37.3 18.84,37.45 19.28,37.45 19.31,37.45 19.36,37.42 19.41,37.38 19.43,37.33 19.43,37.27 19.45,37.21 19.49,37.17 19.55,37.15 19.58,37.15 19.61,37.15 19.66,37.17 19.71,37.21 19.73,37.27 19.73,37.33 19.75,37.38 19.79,37.42 19.85,37.45 19.88,37.45 19.91,37.45 19.96,37.42 20.01,37.38 20.03,37.33 20.03,37.27 20.05,37.21 20.09,37.17 20.15,37.15 20.18,37.15 20.21,37.15 20.26,37.17 20.31,37.21 20.33,37.27 20.33,37.33 20.35,37.38 20.39,37.42 20.45,37.45 20.48,37.45 20.78,37.45 20.89,37.56 20.91,37.58 20.97,37.6 21.03,37.6 21.08,37.58 21.13,37.54 21.18,37.52 21.24,37.52 21.3,37.54 21.32,37.56 21.34,37.58 21.36,37.64 21.36,37.7 21.34,37.75 21.3,37.79 21.27,37.85 21.27,37.91 21.3,37.96 21.32,37.98 21.34,38.01 21.39,38.03 21.45,38.03 21.51,38.01 21.55,37.96 21.61,37.94 21.66,37.94 21.72,37.96 21.74,37.98 21.76,38.01 21.78,38.06 21.78,38.12 21.76,38.18 21.72,38.22 21.7,38.27 21.7,38.33 21.72,38.39 21.74,38.41 22.83,39.5 51.01,39.5 54.59,43.08 v1(54.82,43.08) ; v1(58.61,43.77) 58.61,44 58.86,44.25 58.86,45.11 59.33,45.58 59.37,45.58 59.45,45.5 Module2.12